# KiCad board MuxPi.kicad_pcb
title: MuxPi; date: 2018-11-16; rev: 1.4; company: SRPOL; note: Author: Adam Malinowski <a.malinowsk2@partner.samsung.com>; note: Copyright (c) 2016 -2018 Samsung Electronics Co., Ltd All Rights Reserved
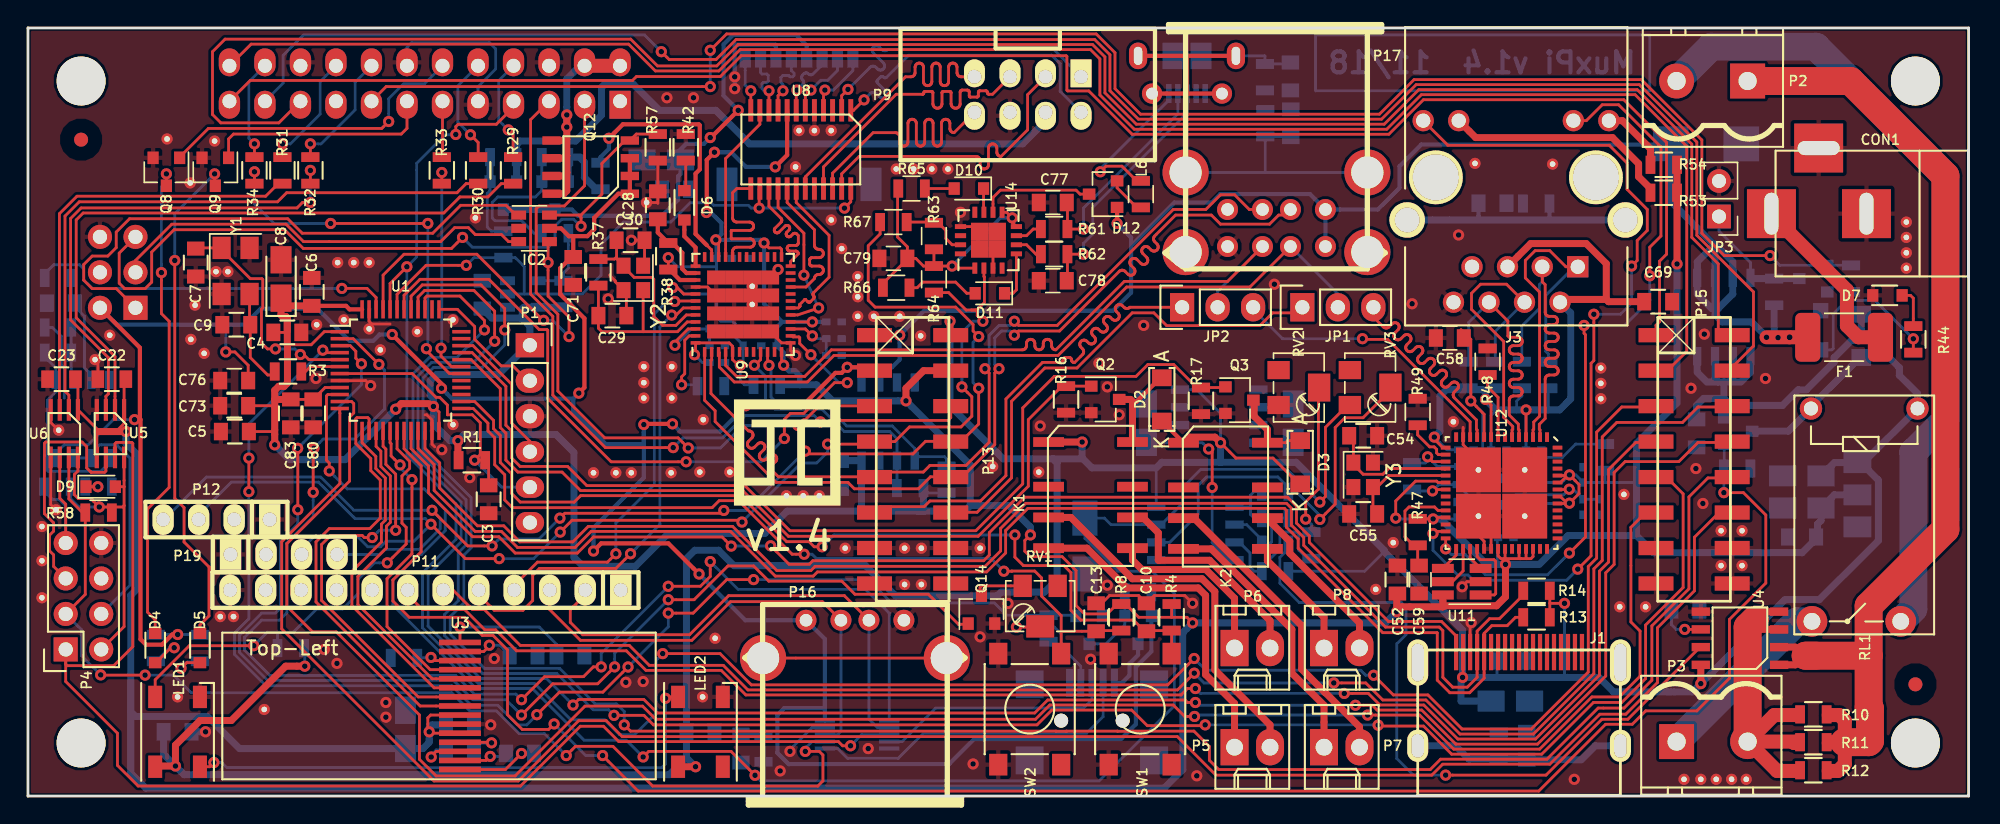
[diagram p0: board, top side]
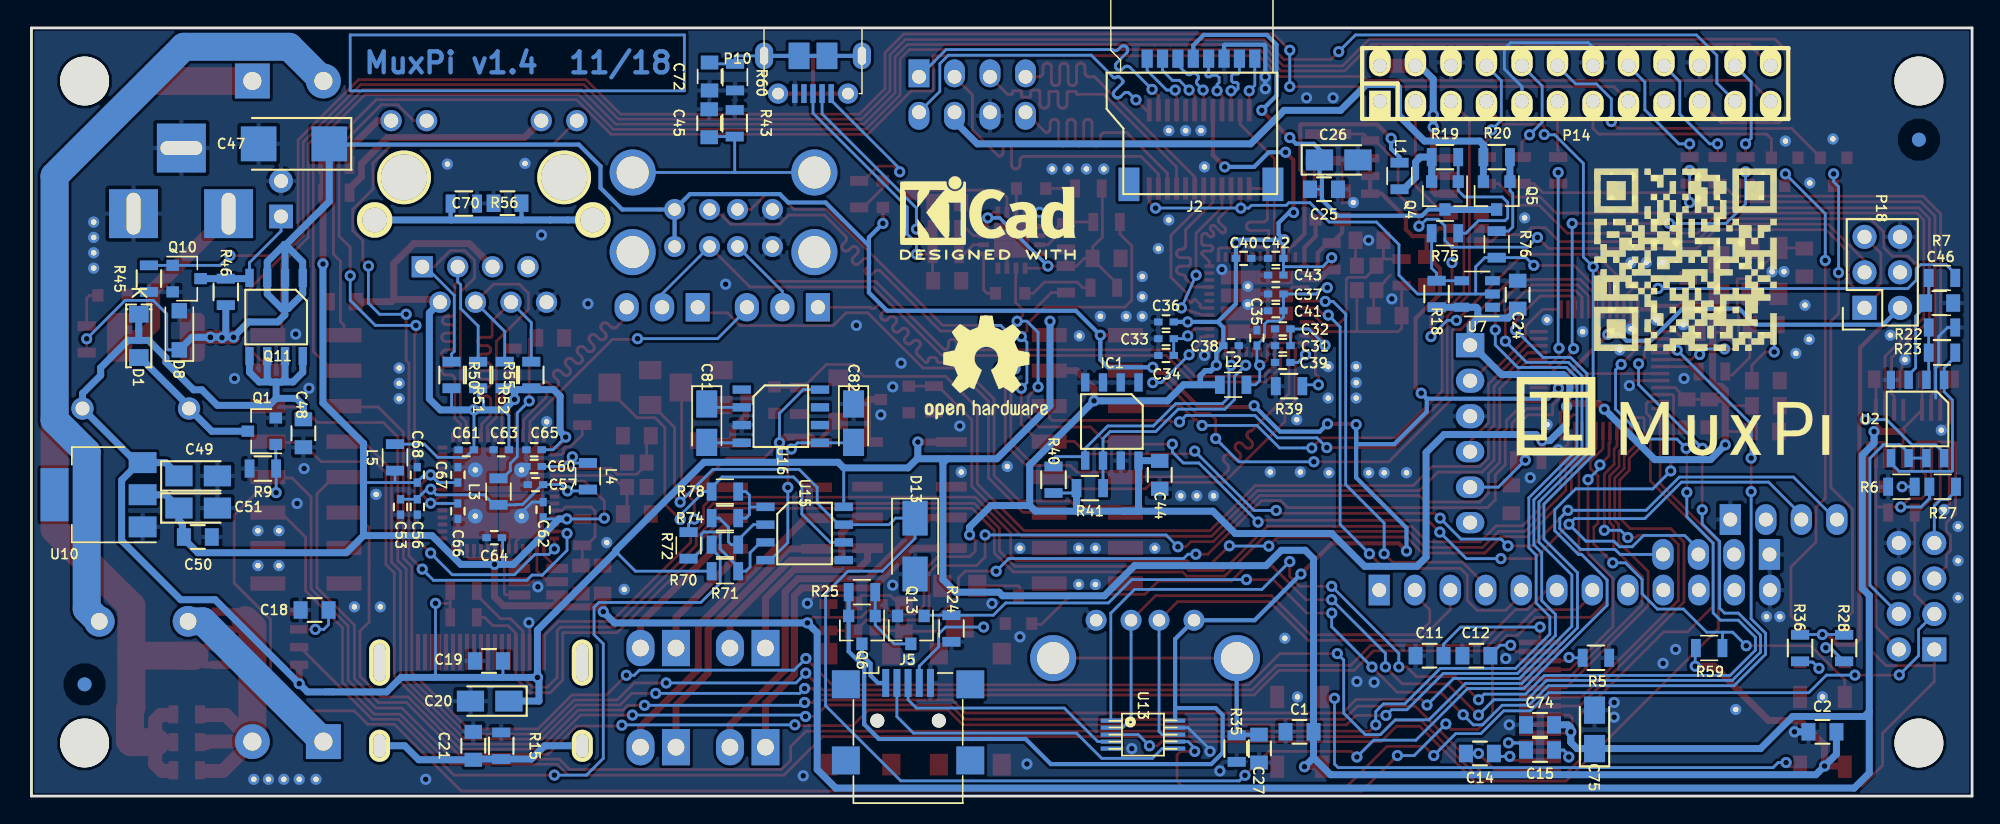
[diagram p1: board, bottom side, seen from below]

Outline 138.8 x 55 mm; copper layers: Top, Bottom. Coordinates in mm from the lower left corner of the outline.
Outline path: 0,55 0,0 138.8,0 138.8,55 0,55

## Placement (name value [footprint] x y rotation side)
C1  100nF/50V  [C_0805]  48.1 4.6 0 bottom
C2  100nF/50V  [C_0805]  10.7 4.6 0 bottom
C3  100nF/50V  [C_0805]  32.95 21.25 270 top
C4  100nF/50V  [C_0805]  18.55 33.2 0 top
C5  100nF/50V  [C_0805]  14.8 26.1 180 top
C6  100nF/50V  [C_0805]  20.3 36.1 90 top
C7  20pF/50V  [C_0805]  12 38.2 270 top
C8  1uF/20V  [Tantalum_Case-A_EIA-3216-18_Reflow]  18.1 37.03 90 top
C9  20pF/50V  [C_0805]  14.9 33.75 180 top
C10  100nF/50V  [C_0805]  80 12.8 90 top
C11  2.2u/16V  [C_0805]  38.8 10.05 0 bottom
C12  2.2u/16V  [C_0805]  35.45 10.05 0 bottom
C13  100nF/50V  [C_0805]  76.4 12.8 90 top
C14  2.2u/16V  [C_0805]  35.2 3.05 0 bottom
C15  2.2u/16V  [C_0805]  30.9 3.3 180 bottom
C18  100nF/50V  [C_0805]  118.55 13.32 180 bottom
C19  100nF/50V  [C_0805]  106.08 9.68 0 bottom
C20  4.7uF/16V  [Tantalum_Case-A_EIA-3216-18_Reflow]  106.03 6.8 0 bottom
C21  100nF/50V  [C_0805]  107.2 3.6 90 bottom
C22  100nF/50V  [C_0805#2]  6 29.85 180 top
C23  100nF/50V  [C_0805#2]  2.4 29.85 180 top
C24  100nF/50V  [C_0805]  32.5 35.9 90 bottom
C25  100nF/50V  [C_0805]  46.35 43.45 180 bottom
C26  4.7u/16V  [Tantalum_Case-A_EIA-3216-18_Reflow]  45.3 45.55 180 bottom
C27  100nF/50V  [C_0805]  51 3.4 270 bottom
C28  100nF/50V  [C_0805]  45.05 42.3 90 top
C29  33p/50V  [C_0805]  41.8 34.4 0 top
C30  33p/50V  [C_0805]  43.1 39.8 0 top
C31  1uF/16V  [C_0402]  49.3 32.25 0 bottom
C32  100nF/50V  [C_0402]  49.3 33.45 0 bottom
C33  1uF/16V  [C_0402]  57.65 32.75 0 bottom
C34  100nF/50V  [C_0402]  57.65 31.55 0 bottom
C35  100nF/50V  [C_0402]  51.15 32.8 90 bottom
C36  100nF/50V  [C_0402]  57.65 33.95 0 bottom
C37  100nF/50V  [C_0402]  49.8 35.95 0 bottom
C38  100nF/50V  [C_0402]  53 32.25 180 bottom
C39  100nF/50V  [C_0402]  49.3 31.05 0 bottom
C40  100nF/50V  [C_0402]  52.1 38.5 180 bottom
C41  1uF/16V  [C_0402]  49.8 34.75 0 bottom
C42  100nF/50V  [C_0402]  49.8 38.5 0 bottom
C43  1uF/16V  [C_0402]  49.8 37.3 0 bottom
C44  100nF/50V  [C_0805]  58.1 23 270 bottom
C45  100nF/50V  [C_0805]  90.33 48.18 90 bottom
C46  100nF/50V  [C_0805]  2.35 35.3 180 bottom
C47  100uF/10V  [Tantalum_Case-C_EIA-6032-28_Reflow]  120.03 46.7 0 bottom
C48  100nF/50V  [C_0805]  119.35 25.97 270 bottom
C49  10uF/10V  [Tantalum_Case-A_EIA-3216-18_Reflow]  126.88 22.93 180 bottom
C50  100nF/50V  [C_0805]  126.9 18.55 180 bottom
C51  10uF/10V  [Tantalum_Case-A_EIA-3216-18_Reflow]  126.88 20.62 180 bottom
C52  100nF/50V  [C_0805]  97.95 15.5 90 top
C53  1uF/16V  [C_0402]  112.4 20.7 270 bottom
C54  33pF/50V  [C_0805]  95.5 25.8 0 top
C55  33pF/50V  [C_0805]  95.5 20.2 180 top
C56  100nF/50V  [C_0402]  111.2 20.7 270 bottom
C57  100nF/50V  [C_0402]  102.75 22.3 0 bottom
C58  100nF/50V  [C_0805]  101.7 32.8 180 top
C59  100nF/50V  [C_0805]  99.5 15.5 270 top
C60  100nF/50V  [C_0402]  102.85 23.6 0 bottom
C61  100nF/50V  [C_0402]  107.7 24.8 0 bottom
C62  100nF/50V  [C_0402]  102.2 20.5 90 bottom
C63  100nF/50V  [C_0402]  105.2 24.8 0 bottom
C64  100nF/50V  [C_0402]  105.7 18.5 0 bottom
C65  100nF/50V  [C_0402]  102.85 24.8 0 bottom
C66  100nF/50V  [C_0402]  108.3 20.4 270 bottom
C67  100nF/50V  [C_0402]  108.3 23 90 bottom
C68  100nF/50V  [C_0402]  111.2 23 90 bottom
C69  22nF/50V  [C_0805]  116.6 35.4 0 top
C70  100nF/50V  [C_0805]  104.75 42.45 0 bottom
C71  100nF/50V  [C_0805]  39 37.6 270 top
C72  100nF/50V  [C_0805]  90.3 51.53 270 bottom
C73  100nF/50V  [C_0805]  14.75 27.95 180 top
C74  100nF/50V  [C_0805]  30.9 5.1 0 bottom
C75  1uF/20V  [Tantalum_Case-A_EIA-3216-18_Reflow]  27 4.78 90 bottom
C76  100nF/50V  [C_0805]  14.75 29.75 180 top
C77  47pF/50V  [C_0805]  73.3 42.5 180 top
C78  47pF/50V  [C_0805]  73.3 36.9 180 top
C79  100nF/50V  [C_0805]  61.9 38.5 180 top
C80  10nF/50V  [C_0805]  20.4 27.4 270 top
C81  10uF/10V  [CP_Tantalum_Case-A_EIA-3216-18_Reflow]  90.5 26.7 270 bottom
C82  10uF/10V  [CP_Tantalum_Case-A_EIA-3216-18_Reflow]  80 26.7 270 bottom
C83  1uF/50V  [C_0805]  18.8 27.4 270 top
CON1  PC-GK2.1  [PC-GK2.5]  131.5 41.71 180 top
D1  ES1AL  [Sub_SMA]  131.12 32.95 270 bottom
D2  ES1AL  [Sub_SMA]  81.1 28.4 90 top
D3  ES1AL  [Sub_SMA]  91 23.9 90 top
D4  KPT-2012SGC (GREEN)  [D_0805]  9.1 10.6 270 top
D5  KPT-2012EC (RED)  [D_0805]  12.3 10.6 270 top
D6  OSB50805C1E (BLUE)  [D_0805]  46.95 42.3 270 top
D7  KPT-2012EC (RED)  [D_0805]  133 35.85 0 top
D8  BZT52H-C5V6.115  [D_SOD-123F]  128.22 33.35 90 bottom
D9  KPT-2012SGC (GREEN)  [D_0805]  5.2 22.15 0 top
D10  KPT-2012SGC (GREEN)  [D_0805]  67.3 43.5 180 top
D11  KPT-2012EC (RED)  [D_0805]  68.8 36 180 top
D12  BAR43CFILM  [SOT-23]  76.9 43.1 180 top
D13  STPS1L30A  [D_SMA]  75.6 17.9 270 bottom
F1  0ZCG0300FF2B  [Fuse_1812_4532Metric]  129.9 32.85 0 top
G***  LOGO  [logopi7x7]  54.3 24.6 0 top
G***#2  LOGO  [logo22]  21.4 27.2 180 bottom
IC1  AT24C02D-SSHM-T  [SOIC-8]  61.52 26.82 0 bottom
IC2  ATTINY10-TS8R  [SOT-23-6]  36.2 40.65 0 top
J1  471511001 (HDMI)  [HDMI]  99.4 9.56 0 top
J2  112K-TBA0-RA1  [usd-attend]  59 52.8 0 bottom
J3  TJACKCFL8P8CSR06M1  [RJ45_TRAFO_LEDS]  110.85 37.9 180 top
J5  UJ2-MBH-1-SMT-TR  [USB_Mini-B_Lumberg_2486_01_Horizontal]  76.1 5.4 180 bottom
JP1  DS1021-1*3SF1-1  [Socket_Strip_Straight_1x03]  91.15 35 0 top
JP2  DS1021-1*3SF1-1  [Socket_Strip_Straight_1x03]  82.55 35 0 top
JP3  Jumper_NO_Small  [Pin_Header_Straight_1x02_Pitch2.54mm]  120.95 41.5 180 top
K1  1-1462037-4  [IM03-SMT_GULL]  76 21.05 270 top
K2  1-1462037-4  [IM03-SMT_GULL]  85.65 21 270 top
L1  BLM21PG221SN1D  [R_0805]  40.95 44.4 90 bottom
L2  BLM21PG221SN1D  [R_0805]  52.85 29.45 180 bottom
L3  BLM21PG121SN1D  [R_0805]  105.4 21.8 270 bottom
L4  BLM21PG121SN1D  [R_0805]  99 22.9 270 bottom
L5  BLM21PG121SN1D  [R_0805]  112.8 24.25 90 bottom
L6  BLM21PG221SN1D  [R_0805]  79.6 43.1 270 top
LED1  WS2812B  [LED_WS2812B-PLCC4]  10.7 4.6 90 top
LED2  WS2812B  [LED_WS2812B-PLCC4]  48.1 4.6 90 top
LOGO  -  [qrcode15]  28 45.9 180 bottom
P1  DS1021-1*6SF1-1  [Pin_Header_Straight_1x06]  35.9 32.28 0 top
P2  XY2500V-D(5.08)-2PIN  [TerminalBlock_XY2500V-D(5.08)]  123 51.2 180 top
P3  XY2500V-D(5.08)-2PIN  [TerminalBlock_XY2500V-D(5.08)]  117.92 3.9 0 top
P4  T821108A1S100CEU  [Socket_Strip_Straight_2x04]  2.7 10.5 90 top
P5  NS25-W2P  [Molex_KK-6410-02_02x2.54mm_Straight]  86.3 3.5 0 top
P6  NS25-W2P  [Molex_KK-6410-02_02x2.54mm_Straight]  86.3 10.6 0 top
P7  NS25-W2P  [Molex_KK-6410-02_02x2.54mm_Straight]  92.7 3.5 0 top
P8  NS25-W2P  [Molex_KK-6410-02_02x2.54mm_Straight]  92.7 10.6 0 top
P9  T821108A1S100CEU  [vasch_strip_4x2]  71.51 50.23 180 top
P10  USB_OTG_MICRO_USB  [micro_sub_molex]  82.9 52.7 0 bottom
P11  ESW-112-23-T-S  [pin_strip_2.54_s_1x12]  28.43 14.75 180 top
P12  ESW-104-23-T-S  [pin_strip_2.54_s_1x4]  13.48 19.8 180 top
P13  -  [PBTD16S]  62 33 270 top
P14  ESW-112-23-T-D  [pin_strip_2.54_s_2x12]  28.38 51.02 180 bottom
P15  -  [PBTD16S]  117.9 33 270 top
P16  UBA-4R-D14-4D  [conn_usb_A]  59.15 6.6 0 top
P17  USBA-2G  [conn_usb_Ax2]  95.8 55 180 top
P18  CONN_02X03  [Socket_Strip_Straight_2x03]  7.69 34.96 90 bottom
P19  ESW-104-23-T-S  [pin_strip_2.54_s_1x4]  18.3 17.3 0 top
Q1  2N7002  [SOT-23]  122.32 26.12 0 bottom
Q2  2N7002  [SOT-23]  77.05 28.4 0 top
Q3  2N7002  [SOT-23]  86.65 28.35 0 top
Q4  MMBT4403LT1  [SOT-23]  37.7 43 270 bottom
Q5  MMBT4403LT1  [SOT-23]  34 43 270 bottom
Q6  DMP2035U-7  [SOT-23]  79.4 11.9 270 bottom
Q8  2N7002  [SOT-23]  9.9 44.7 270 top
Q9  2N7002  [SOT-23]  13.4 44.7 270 top
Q10  2N7002  [SOT-23]  127.7 37.05 180 bottom
Q11  BSO130P03S  [SOIC-8]  121.3 34.3 0 bottom
Q12  BSO130P03S  [SOIC-8]  40.25 45.03 90 top
Q13  2N7002  [SOT-23]  75.9 11.9 270 bottom
Q14  2N7002  [SOT-23]  68.2 13.35 90 top
R1  100K  [R_0805]  31.75 24.05 0 top
R3  390R  [R_0805]  18.6 30.4 0 top
R4  10K  [R_0805]  81.8 12.8 270 top
R5  390k  [R_0805]  26.9 9.9 180 bottom
R6  560R  [R_0805]  5.05 22.15 0 bottom
R7  10K 1%  [R_0805]  2.15 37.1 180 bottom
R8  10K  [R_0805]  78.2 12.8 270 top
R9  10K  [R_0805]  122.25 23.45 0 bottom
R10  0R  [R_0805]  127.7 5.85 0 top
R11  0R  [R_0805]  127.7 3.86 0 top
R12  0R  [R_0805]  127.7 1.85 0 top
R13  10K  [R_0805]  107.9 12.8 180 top
R14  10K  [R_0805]  107.9 14.7 180 top
R15  10K  [R_0805]  105.2 3.6 90 bottom
R16  10K  [R_0805]  74.25 28.4 270 top
R17  10K  [R_0805]  83.9 28.3 270 top
R18  10K  [R_0805]  38.3 35.95 90 bottom
R19  10K  [R_0805]  37.7 45.75 0 bottom
R20  10K  [R_0805]  34 45.75 0 bottom
R22  20K 1%  [R_0805]  2.15 33.55 180 bottom
R23  10K 1%  [R_0805]  2.15 31.75 0 bottom
R24  10K  [R_0805]  73 12 270 bottom
R25  10K  [R_0805]  79.4 14.6 180 bottom
R27  10K 1%  [R_0805]  2.1 22.15 180 bottom
R28  560R  [R_0805]  9.15 10.6 270 bottom
R29  120R  [R_0805]  34.7 44.8 90 top
R30  120R  [R_0805]  32.2 44.8 90 top
R31  120R  [R_0805]  18.2 44.8 90 top
R32  120R  [R_0805]  20.2 44.8 90 top
R33  120R  [R_0805]  29.6 44.8 90 top
R34  120R  [R_0805]  16.2 44.8 90 top
R35  10K  [R_0805]  52.6 3.4 270 bottom
R36  560R  [R_0805]  12.3 10.6 270 bottom
R37  1M  [R_0805]  40.8 37.5 270 top
R38  100K  [R_0805]  45.8 38.65 90 top
R39  12k 1%  [R_0805]  48.85 29.35 0 bottom
R40  10K  [R_0805]  65.7 22.65 90 bottom
R41  10K  [R_0805]  63.1 22.05 180 bottom
R42  560R  [R_0805]  47.05 46.45 90 top
R43  10K  [R_0805]  88.5 48.18 90 bottom
R44  560R  [R_0805]  134.85 32.7 90 top
R45  10K  [R_0805]  130.4 37.05 270 bottom
R46  10K  [R_0805]  124.9 36.1 90 bottom
R47  10K  [R_0805]  99.4 18.9 270 top
R48  12k 1%  [R_0805]  104.4 31.1 270 top
R49  12k 1%  [R_0805]  99.4 27.5 270 top
R50  49.9R 1%  [R_0805]  108.75 30.15 90 bottom
R51  49.9R 1%  [R_0805]  106.85 30.15 90 bottom
R52  49.9R 1%  [R_0805]  104.95 30.15 90 bottom
R53  560R  [R_0805]  117 43.2 0 top
R54  560R  [R_0805]  117 45.2 0 top
R55  49.9R 1%  [R_0805]  103.05 30.15 90 bottom
R56  10K  [R_0805]  107.88 42.43 180 bottom
R57  10K  [R_0805]  45.05 46.45 270 top
R58  10K 1%  [R_0805]  5.05 20.3 180 top
R59  4.7K  [R_0805]  18.8 10.6 180 bottom
R60  10K  [R_0805]  88.47 51.47 270 bottom
R61  27R  [R_0805]  73.4 40.6 0 top
R62  27R  [R_0805]  73.4 38.8 0 top
R63  10K  [R_0805]  64.8 40.1 90 top
R64  10K  [R_0805]  64.8 37 270 top
R65  560R  [R_0805]  63.2 43.5 0 top
R66  560R  [R_0805]  62.1 36.4 0 top
R67  0R  [R_0805]  61.9 41.1 0 top
R70  10K 1%  [R_0805]  89.2 18 0 bottom
R71  30K 1%  [R_0805]  89.2 16.1 180 bottom
R72  8.2K 1%  [R_0805]  91.8 17.95 90 bottom
R74  10K 1%  [R_0805]  89.2 19.9 0 bottom
R75  1K 1%  [R_0805]  37.7 40.3 0 bottom
R76  1K 1%  [R_0805]  34 39.5 270 bottom
R78  1K 1%  [R_0805]  89.2 21.8 0 bottom
REF**  -  [MountingHole_3.5mm]  3.8 3.8 0 top
REF**#2  -  [MountingHole_3.5mm]  135 51.2 0 top
REF**#3  -  [MountingHole_3.5mm]  135 3.8 0 top
REF**#4  -  [MountingHole_3.5mm]  3.8 51.2 0 top
REF**#5  -  [Fiducial_1mm_Dia_2mm_Outer]  135 8 0 top
REF**#6  -  [Fiducial_1mm_Dia_2mm_Outer]  3.8 47 0 top
REF**#7  -  [Fiducial_1mm_Dia_2mm_Outer]  135 8 0 bottom
REF**#8  -  [Fiducial_1mm_Dia_2mm_Outer]  3.8 47 0 bottom
REF**#9  -  [KiCad-Logo2_6mm_SilkScreen]  70.4 41.4 180 bottom
REF**#10  -  [OSHW-Logo2_9.8x8mm_SilkScreen]  70.5 30.7 180 bottom
RL1  JV-5S-KT  [Relay_SPST-NO_FUJITSU-JV]  127.53 27.75 270 top
RV1  3224W-105-1LF  [Potentiometer_Trimmer_Bourns_3224W]  72.4 13.6 0 top
RV2  5k  [Potentiometer_Trimmer_Bourns_3224W]  90.9 29.25 90 top
RV3  5k  [Potentiometer_Trimmer_Bourns_3224W]  96 29.25 90 top
SW1  DTSM-62N-V-B  [SW_SPST_PTS645]  79.55 6.22 90 top
SW2  DTSM-62N-V-B  [SW_SPST_PTS645]  71.65 6.22 90 top
U1  STM32F030C6T6  [LQFP-48_7x7mm_Pitch0.5mm]  26.65 30.5 0 top
U2  MCP6002-E/SN  [SOIC-8]  3.9 27 0 bottom
U3  OLED-AG-128032DY-Y (YELLOW)  [OLED-128x32-0.91Inch]  30.9 6.45 0 top
U4  ACS712ELCTR-05B-T  [SOIC-8]  122.45 11.3 90 top
U5  SN74LVC2T45DCTT  [SSOP-8]  5.9 25.95 180 top
U6  SN74LVC2T45DCTT  [SSOP-8]  2.6 25.95 180 top
U7  MC74HC1G04DTT1G  [SOT-23-5]  35.4 35.95 0 bottom
U8  TS3A27518EPWR  [TSSOP-24]  55.28 46.3 180 top
U9  USB2640-HZH-02  [QFN-48-1EP_7x7mm_Pitch0.5mm]  51.15 35.2 90 top
U10  LD1117S33CTR  [SOT-223]  134 21.57 0 bottom
U11  93AA56AT-I/OT  [SOT-23-6_Handsoldering]  102.55 15.35 180 top
U12  LAN9500A-ABZJ  [QFN_56]  105.4 21.7 270 top
U13  TS3USB30EDGSR  [msoic-10]  59.3 4.4 270 bottom
U14  FT230XQ  [QFN-16-1EP_4x4mm_Pitch0.65mm]  68.7 39.8 90 top
U15  MCP6002-E/SN  [SOIC-8]  83.5 18.8 270 bottom
U16  ICL7660  [SOIC-8]  85.2 27.2 270 bottom
V1  -  [VIA_0408]  122.9 1.2 90 top
V1#2  -  [VIA_0408]  121.85 1.2 90 top
V1#3  -  [VIA_0408]  120.75 1.2 90 top
V1#4  -  [VIA_0408]  119.65 1.2 90 top
V1#5  -  [VIA_0408]  118.45 1.2 90 top
V1#6  -  [VIA_0408]  96.4 14.8 90 top
V1#7  -  [VIA_0408]  97.65 18.15 90 top
V1#8  -  [VIA_0408]  101.95 26.8 90 top
V1#9  -  [VIA_0408]  112.5 30.65 90 top
V1#10  -  [VIA_0408]  112.5 29.55 90 top
V1#11  -  [VIA_0408]  112.5 28.45 90 top
V1#12  -  [VIA_0408]  63.9 15.15 90 top
V1#13  -  [VIA_0408]  62.7 15.15 90 top
V1#14  -  [VIA_0408]  49.15 11.3 90 top
V1#15  -  [VIA_0408]  68.1 17.75 90 top
V1#16  -  [VIA_0408]  63.9 17.75 90 top
V1#17  -  [VIA_0408]  62.7 17.75 90 top
V1#18  -  [VIA_0408]  58.45 17.75 90 top
V1#19  -  [VIA_0408]  56.6 21.5 90 top
V1#20  -  [VIA_0408]  55.45 21.5 90 top
V1#21  -  [VIA_0408]  54.25 21.5 90 top
V1#22  -  [VIA_0408]  69 23.6 90 top
V1#23  -  [VIA_0408]  50.2 23.2 90 top
V1#24  -  [VIA_0408]  48.05 23.2 90 top
V1#25  -  [VIA_0408]  46 23.15 90 top
V1#26  -  [VIA_0408]  43.15 23.15 90 top
V1#27  -  [VIA_0408]  42.05 23.15 90 top
V1#28  -  [VIA_0408]  40.45 23.15 90 top
V1#29  -  [VIA_0408]  72.3 23.2 90 top
V1#30  -  [VIA_0408]  63.85 32.95 90 top
V1#31  -  [VIA_0408]  62.35 34.35 90 top
V1#32  -  [VIA_0408]  60.5 34.35 90 top
V1#33  -  [VIA_0408]  59.35 34.35 90 top
V1#34  -  [VIA_0408]  59.35 35.75 90 top
V1#35  -  [VIA_0408]  59.35 37.2 90 top
V1#36  -  [VIA_0408]  57.45 41.25 90 top
V1#37  -  [VIA_0408]  58.2 39.2 90 top
V1#38  -  [VIA_0408]  62.1 44.9 90 top
V1#39  -  [VIA_0408]  63.35 44.9 90 top
V1#40  -  [VIA_0408]  64.65 44.9 90 top
V1#41  -  [VIA_0408]  65.8 44.9 90 top
V1#42  -  [VIA_0408]  54.9 45.05 90 top
V1#43  -  [VIA_0408]  56.25 47.65 90 top
V1#44  -  [VIA_0408]  55.15 47.65 90 top
V1#45  -  [VIA_0408]  57.45 47.65 90 top
V1#46  -  [VIA_0408]  48.25 7.1 90 top
V1#47  -  [VIA_0408]  10.7 7.1 90 top
V1#48  -  [VIA_0408]  5.85 33 90 top
V1#49  -  [VIA_0408]  13.35 46.9 90 top
V1#50  -  [VIA_0408]  11.6 43.9 90 top
V1#51  -  [VIA_0408]  9.95 47.05 90 top
V1#52  -  [VIA_0408]  22.6 34.1 90 top
V1#53  -  [VIA_0408]  30.4 34.1 90 top
V1#54  -  [VIA_0408]  46.05 28.5 90 top
V1#55  -  [VIA_0408]  46.05 30.75 90 top
V1#56  -  [VIA_0408]  48.3 26.95 90 top
V1#57  -  [VIA_0408]  44.25 42.5 90 top
V1#58  -  [VIA_0408]  44.05 30.75 90 top
V1#59  -  [VIA_0408]  44.05 28.5 90 top
V1#60  -  [VIA_0408]  44.05 29.6 90 top
V1#61  -  [VIA_0408]  22.15 38.2 90 top
V1#62  -  [VIA_0408]  23.3 38.2 90 top
V1#63  -  [VIA_0408]  24.4 38.2 90 top
V1#64  -  [VIA_0408]  27.85 33.25 90 top
V1#65  -  [VIA_0408]  134.35 41.1 0 top
V1#66  -  [VIA_0408]  134.35 40 0 top
V1#67  -  [VIA_0408]  134.35 38.9 0 top
V1#68  -  [VIA_0408]  134.35 37.8 0 top
V1#69  -  [VIA_0408]  113.85 13.55 90 top
V1#70  -  [VIA_0408]  115.7 13.55 90 top
V1#71  -  [VIA_0408]  114.15 21.6 90 top
V1#72  -  [VIA_0408]  103.5 45.3 0 top
V1#73  -  [VIA_0408]  109.05 45.25 0 top
V1#74  -  [VIA_0408]  122.6 19 90 top
V1#75  -  [VIA_0408]  121.1 19 90 top
V1#76  -  [VIA_0408]  121.1 16.5 90 top
V1#77  -  [VIA_0408]  122.6 16.5 90 top
V1#78  -  [VIA_0408]  25.2 31.95 90 top
V1#79  -  [VIA_0408]  11.95 35.15 90 top
V1#80  -  [VIA_0408]  11.65 32.7 90 top
V1#81  -  [VIA_0408]  12.6 31.7 90 top
V1#82  -  [VIA_0408]  13.75 12.85 90 top
V1#83  -  [VIA_0408]  14.7 12.85 90 top
V1#84  -  [VIA_0408]  2.2 26.2 90 top
V1#85  -  [VIA_0408]  4.8 31.25 90 top
V1#86  -  [VIA_0408]  1 19.3 90 top
V1#87  -  [VIA_0408]  1 16.85 90 top
V1#88  -  [VIA_0408]  1 14.2 90 top
V1#89  -  [VIA_0408]  13.45 37.55 90 top
V1#90  -  [VIA_0408]  14.3 37.55 90 top
V1#91  -  [VIA_0408]  24.4 33.45 90 top
V1#92  -  [VIA_0408]  20.65 33.75 90 top
V1#93  -  [VIA_0408]  51.8 36.5 90 top
V1#94  -  [VIA_0408]  51.8 35.2 90 top
V1#95  -  [VIA_0408]  32 41.4 90 top
V1#96  -  [VIA_0408]  30.4 26.6 90 top
V1#97  -  [VIA_0408]  16.9 6.2 90 top
V1#98  -  [VIA_0408]  2 20.5 90 top
Y1  ABM3B-8.000MHZ-10-1-U-T  [Crystal_SMD_5032-4pin_5.0x3.2mm]  14.85 37.6 270 top
Y2  LF XTAL012504 - 24MHz  [Crystal_SMD_2520-4Pin_2.5x2.0mm]  43.3 37.1 90 top
Y3  25.00M-CFPX218  [Crystal_SMD_2520-4Pin_2.5x2.0mm]  95.5 23 270 top

## Library data of the parts
D1 = -: Field4: A

## Footprints (pads in the part's own frame, mm; a bottom-side part is the same pattern mirrored in y, then rotated)
C_0402
  rect 0.6x0.5 smd: 1(-0.55,0) 2(0.55,0)
C_0805
  rect 1x1.25 smd: 1(-1,0) 2(1,0)
C_0805#2
  rect 0.9x1.25 smd: 1(-1,0) 2(1,0)
conn_usb_A
  round 1.501 hole 0.899: 1(-3.5,5.989) 2(-1.001,5.989) 3(1.001,5.989) 4(3.5,5.989)
  round 3.3 hole 2.3: 5(-6.571,3.279) 5(6.571,3.279)
conn_usb_Ax2
  round 1.501 hole 0.899: 1(3,13) 2(5.499,13) 3(7.5,13) 4(10,13) 5(3,15.65) 6(5.499,15.65) 7(7.5,15.65) 8(10,15.65)
  round 3.3 hole 2.3: 9(0,16.05) 9(0,10.35) 9(13,16.05) 9(13,10.35)
CP_Tantalum_Case-A_EIA-3216-18_Reflow
  rect 1.95x1.5 smd: 1(-1.375,0) 2(1.375,0)
Crystal_SMD_2520-4Pin_2.5x2.0mm
  rect 1.15x1 smd: 1(-0.875,-0.7) 2(0.875,-0.7) 3(0.875,0.7) 4(-0.875,0.7)
Crystal_SMD_5032-4pin_5.0x3.2mm
  rect 1.6x1.3 smd: 1(-1.65,-1) 2(1.65,-1) 3(1.65,1) 4(-1.65,1)
D_0805
  rect 0.8x0.9 smd: 1(-1.05,0) 2(1.05,0)
D_SMA
  rect 2.5x1.8 smd: 1(-2,0) 2(2,0)
D_SOD-123F
  rect 1.1x1.1 smd: 1(-1.4,0) 2(1.4,0)
Fiducial_1mm_Dia_2mm_Outer
  round 1 smd: ~(0,0)
Fuse_1812_4532Metric
  rrect 1.8x3.5 smd: 1(-2.6,0) 2(2.6,0)
HDMI
  rect 0.3x2.6 smd: 1(11.75,0.75) 2(11.25,0.75) 3(10.75,0.75) 4(10.25,0.75) 5(9.75,0.75) 6(9.25,0.75) 7(8.75,0.75) 8(8.25,0.75) 9(7.75,0.75) 10(7.25,0.75) 11(6.75,0.75) 12(6.25,0.75) 13(5.75,0.75) 14(5.25,0.75) 15(4.75,0.75) 16(4.25,0.75) 17(3.75,0.75) 18(3.25,0.75) 19(2.75,0.75)
  oval 1.5x3.3 hole 0.9x2.7: SHLD(0,0) SHLD(14.5,0)
  oval 1.5x2.3 hole 0.9x1.7: SHLD(0,-5.96) SHLD(14.5,-5.96)
IM03-SMT_GULL
  rect 0.7x2.2 smd: 1(-4.3,-3) 2(-1.1,-3) 3(1.1,-3) 4(3.3,-3) 5(3.3,3) 6(1.1,3) 7(-1.1,3) 8(-4.3,3)
LED_WS2812B-PLCC4
  rect 1.6x1 smd: 1(-2.5,1.6) 2(-2.5,-1.6) 3(2.5,-1.6) 4(2.5,1.6)
LQFP-48_7x7mm_Pitch0.5mm
  rect 1.3x0.25 smd: 1(-4.35,2.75) 2(-4.35,2.25) 3(-4.35,1.75) 4(-4.35,1.25) 5(-4.35,0.75) 6(-4.35,0.25) 7(-4.35,-0.25) 8(-4.35,-0.75) 9(-4.35,-1.25) 10(-4.35,-1.75) 11(-4.35,-2.25) 12(-4.35,-2.75) 25(4.35,-2.75) 26(4.35,-2.25) 27(4.35,-1.75) 28(4.35,-1.25) 29(4.35,-0.75) 30(4.35,-0.25) 31(4.35,0.25) 32(4.35,0.75) 33(4.35,1.25) 34(4.35,1.75) 35(4.35,2.25) 36(4.35,2.75)
  rect 0.25x1.3 smd: 13(-2.75,-4.35) 14(-2.25,-4.35) 15(-1.75,-4.35) 16(-1.25,-4.35) 17(-0.75,-4.35) 18(-0.25,-4.35) 19(0.25,-4.35) 20(0.75,-4.35) 21(1.25,-4.35) 22(1.75,-4.35) 23(2.25,-4.35) 24(2.75,-4.35) 37(2.75,4.35) 38(2.25,4.35) 39(1.75,4.35) 40(1.25,4.35) 41(0.75,4.35) 42(0.25,4.35) 43(-0.25,4.35) 44(-0.75,4.35) 45(-1.25,4.35) 46(-1.75,4.35) 47(-2.25,4.35) 48(-2.75,4.35)
micro_sub_molex
  rect 0.4x1.35 smd: 1(-1.3,2.4) 2(-0.65,2.4) 3(0,2.4) 4(0.65,2.4) 5(1.3,2.4)
  oval 1.3x1.9 hole 0.6x1.3: 6(-3.5,-0.3) 6(3.5,-0.3)
  round 1.45 hole 0.85: 6(-2.5,2.4) 6(2.5,2.4)
  rect 1.5x1.9 smd: 6(-1,-0.3) 6(1,-0.3)
Molex_KK-6410-02_02x2.54mm_Straight
  rect 2x2.6 hole 1.2: 1(0,0)
  oval 2x2.6 hole 1.2: 2(2.54,0)
MountingHole_3.5mm
  round 3.5 hole 3.5 unplated: (0,0)
msoic-10
  rect 0.3x1.45 smd: 1(-1.001,-2.301) 2(-0.5,-2.301) 3(0,-2.301) 4(0.5,-2.301) 5(1.001,-2.301) 6(1.001,2.301) 7(0.5,2.301) 8(0,2.301) 9(-0.5,2.301) 10(-1.001,2.301)
OLED-128x32-0.91Inch
  rect 3x0.4 smd: 1(0,-4.551) 2(0,-3.901) 3(0,-3.251) 4(0,-2.601) 5(0,-1.951) 6(0,-1.301) 7(0,-0.651) 8(0,-0.001) 9(0,0.649) 10(0,1.299) 11(0,1.949) 12(0,2.599) 13(0,3.249) 14(0,3.899) 15(0,4.549)
PBTD16S
  rect 1.02x2.5 smd: 1(0,-1.455) 2(0,3.995) 3(2.54,-1.455) 4(2.54,3.995) 5(5.08,-1.455) 6(5.08,3.995) 7(7.62,-1.455) 8(7.62,3.995) 9(10.16,-1.455) 10(10.16,3.995) 11(12.7,-1.455) 12(12.7,3.995) 13(15.24,-1.455) 14(15.24,3.995) 15(17.78,-1.455) 16(17.78,3.995)
PC-GK2.5
  rect 3.5x3.5 hole 1.001x3: 1(6.8,0.01) 2(0,0.01)
  rect 3.5x3.5 hole 3x1.001: 3(3.42,-4.689)
Pin_Header_Straight_1x02_Pitch2.54mm
  rect 1.7x1.7 hole 1: 1(0,0)
  oval 1.7x1.7 hole 1: 2(0,-2.54)
Pin_Header_Straight_1x06
  rect 2.032x1.727 hole 1.016: 1(0,0)
  oval 2.032x1.727 hole 1.016: 2(0,-2.54) 3(0,-5.08)
  oval 2.032x1.524 hole 1.016: 4(0,-7.62) 5(0,-10.16) 6(0,-12.7)
pin_strip_2.54_s_1x4
  rect 1.524x2.2 hole 1.001: 1(-3.81,0)
  oval 1.524x2.2 hole 1.001: 2(-1.27,0) 3(1.27,0) 4(3.81,0)
pin_strip_2.54_s_1x12
  rect 1.524x2.2 hole 1.001: 1(-13.97,0)
  oval 1.524x2.2 hole 1.001: 2(-11.43,0) 3(-8.89,0) 4(-6.35,0) 5(-3.81,0) 6(-1.27,0) 7(1.27,0) 8(3.81,0) 9(6.35,0) 10(8.89,0) 11(11.43,0) 12(13.97,0)
pin_strip_2.54_s_2x12
  rect 1.524x1.999 hole 1.001: 1(-13.97,-1.27)
  oval 1.524x1.999 hole 1.001: 2(-13.97,1.27) 3(-11.43,-1.27) 4(-11.43,1.27) 5(-8.89,-1.27) 6(-8.89,1.27) 7(-6.35,-1.27) 8(-6.35,1.27) 9(-3.81,-1.27) 10(-3.81,1.27) 11(-1.27,-1.27) 12(-1.27,1.27) 13(1.27,-1.27) 14(1.27,1.27) 15(3.81,-1.27) 16(3.81,1.27) 17(6.35,-1.27) 18(6.35,1.27) 19(8.89,-1.27) 20(8.89,1.27) 21(11.43,-1.27) 22(11.43,1.27) 23(13.97,-1.27) 24(13.97,1.27)
Potentiometer_Trimmer_Bourns_3224W
  rect 1.3x1.6 smd: 1(1.25,1.45) 3(-1.25,1.45)
  rect 2x1.6 smd: 2(0,-1.45)
QFN-16-1EP_4x4mm_Pitch0.65mm
  rect 0.8x0.35 smd: 1(-2,0.975) 2(-2,0.325) 3(-2,-0.325) 4(-2,-0.975) 9(2,-0.975) 10(2,-0.325) 11(2,0.325) 12(2,0.975)
  rect 0.35x0.8 smd: 5(-0.975,-2) 6(-0.325,-2) 7(0.325,-2) 8(0.975,-2) 13(0.975,2) 14(0.325,2) 15(-0.325,2) 16(-0.975,2)
  rect 1.25x1.25 smd: 17(-0.625,0.625) 17(-0.625,-0.625) 17(0.625,0.625) 17(0.625,-0.625)
QFN-48-1EP_7x7mm_Pitch0.5mm
  rect 0.7x0.25 smd: 1(-3.4,2.75) 2(-3.4,2.25) 3(-3.4,1.75) 4(-3.4,1.25) 5(-3.4,0.75) 6(-3.4,0.25) 7(-3.4,-0.25) 8(-3.4,-0.75) 9(-3.4,-1.25) 10(-3.4,-1.75) 11(-3.4,-2.25) 12(-3.4,-2.75) 25(3.4,-2.75) 26(3.4,-2.25) 27(3.4,-1.75) 28(3.4,-1.25) 29(3.4,-0.75) 30(3.4,-0.25) 31(3.4,0.25) 32(3.4,0.75) 33(3.4,1.25) 34(3.4,1.75) 35(3.4,2.25) 36(3.4,2.75)
  rect 0.25x0.7 smd: 13(-2.75,-3.4) 14(-2.25,-3.4) 15(-1.75,-3.4) 16(-1.25,-3.4) 17(-0.75,-3.4) 18(-0.25,-3.4) 19(0.25,-3.4) 20(0.75,-3.4) 21(1.25,-3.4) 22(1.75,-3.4) 23(2.25,-3.4) 24(2.75,-3.4) 37(2.75,3.4) 38(2.25,3.4) 39(1.75,3.4) 40(1.25,3.4) 41(0.75,3.4) 42(0.25,3.4) 43(-0.25,3.4) 44(-0.75,3.4) 45(-1.25,3.4) 46(-1.75,3.4) 47(-2.25,3.4) 48(-2.75,3.4)